# Altium PCB ATMEGA-BOARD.PcbDoc
Units mm, origin at the board's own origin, x right, y up, seen from the top; angles counter-clockwise.
Board outline 64 x 100 mm, 2 copper layers (Top Layer, Bottom Layer), stack 1.571 mm thick; 35 components, 53 nets, 171 pads, 248 vias.
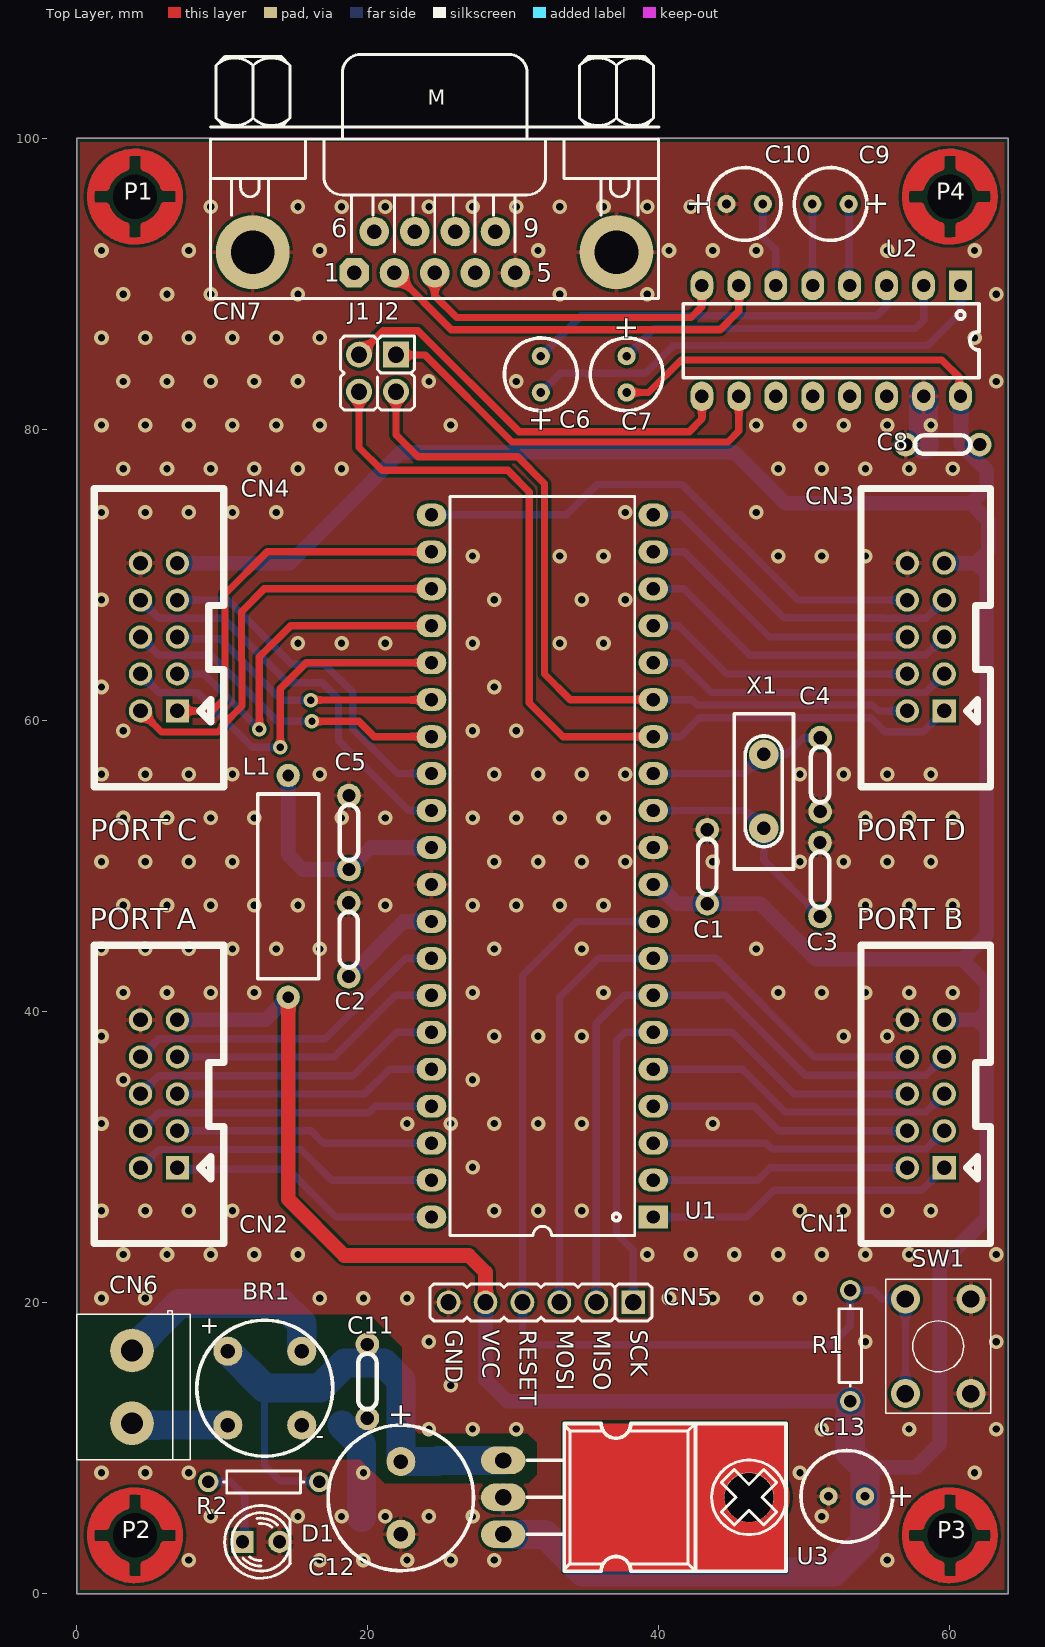
[diagram p0: Top Layer view]
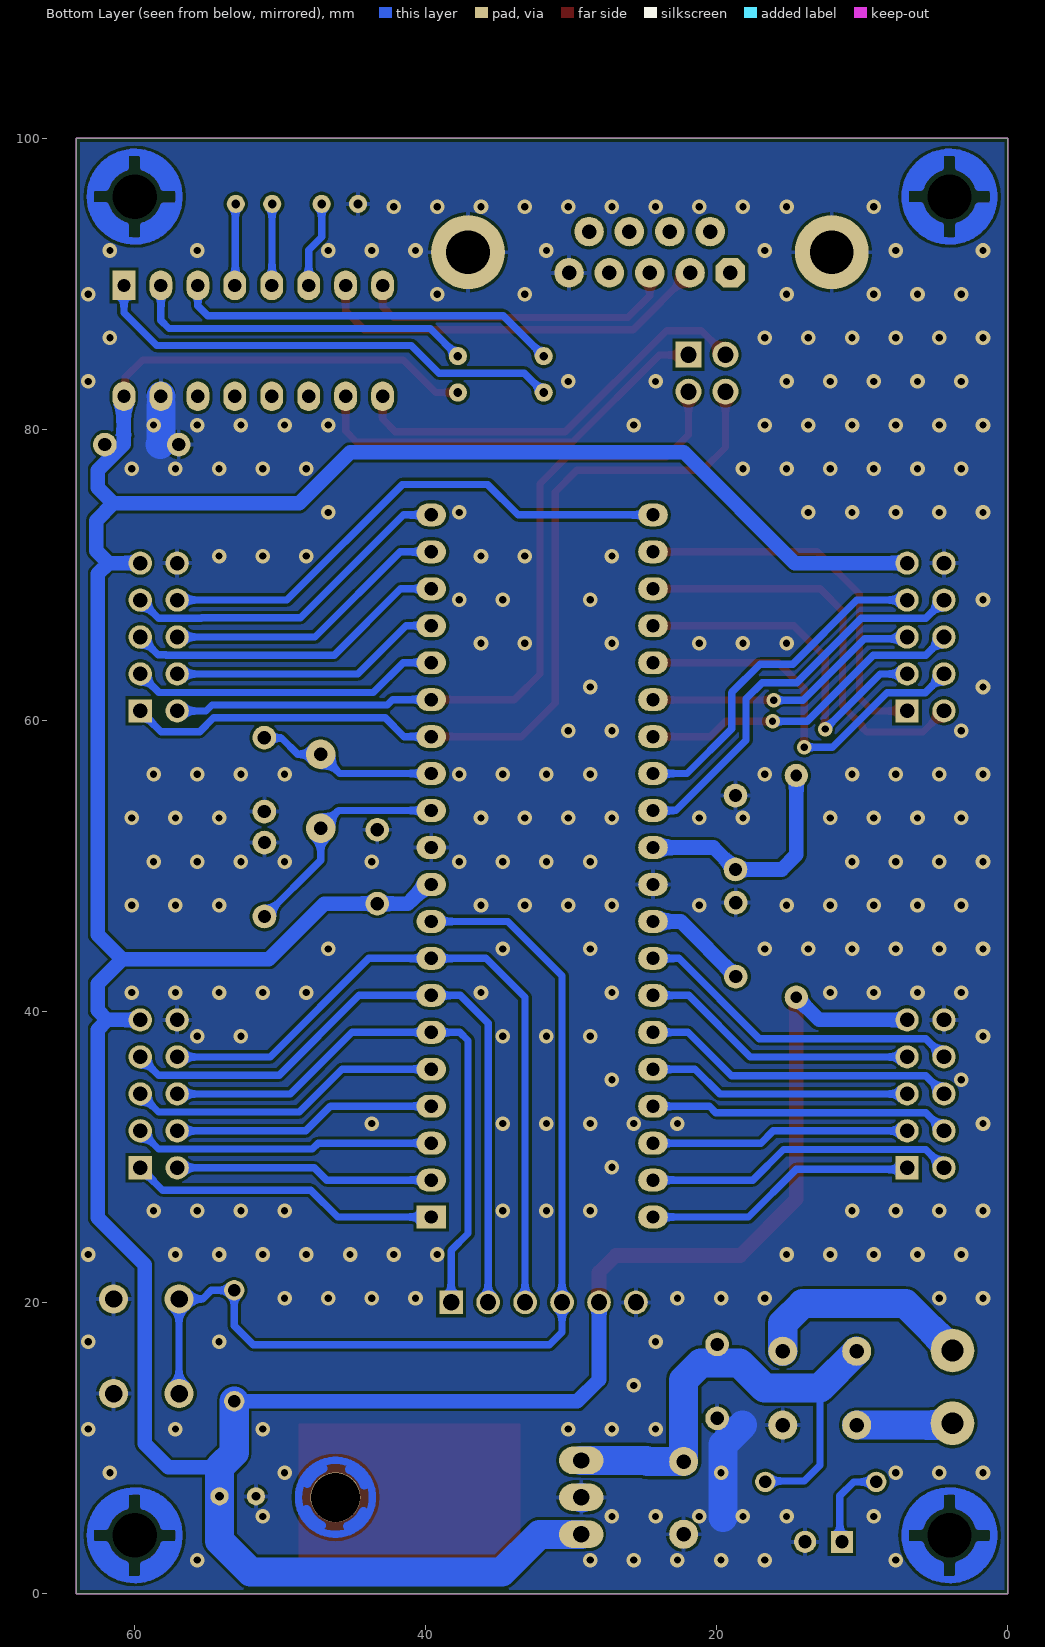
[diagram p1: Bottom Layer view, seen from below]
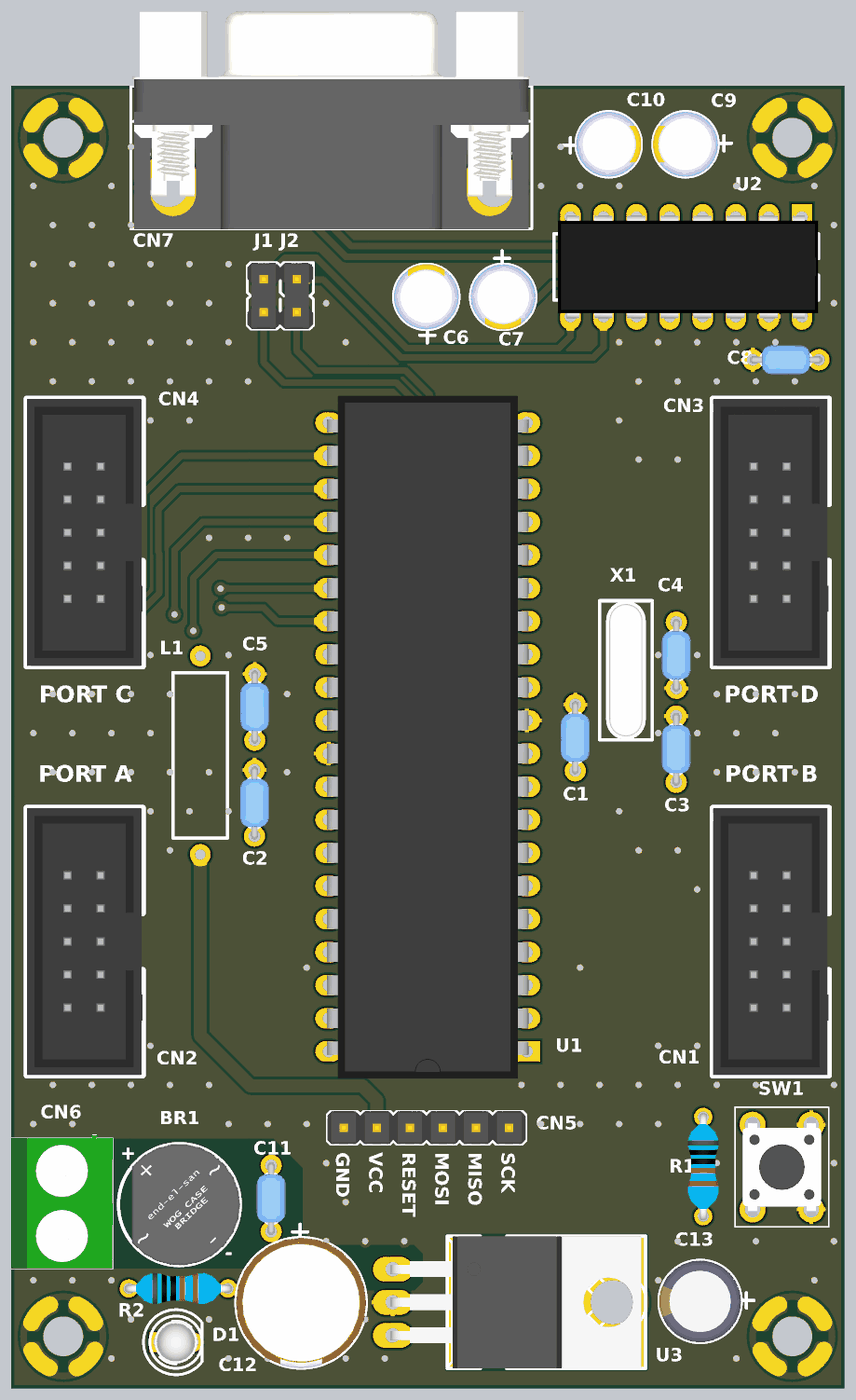
[diagram p2: 3D render of the assembled board from above, using the file's embedded part models]

## Layer stack, top to bottom
Top Solder: solder mask 0.0102, Solder Resist, Dk 3.5
Top Layer: signal copper 0.0356
Dielectric 1: dielectric 1.5, FR-4, Dk 4.8
Bottom Layer: signal copper 0.0356
Bottom Solder: solder mask 0.0102, Solder Resist, Dk 3.5

## Board outline
0,0 64,0 64,100 0,100

## Design rules (kind name [scope] priority, off if disabled: settings)
Clearance [All] p1: gap=0.2 ignorepadtopadclearanceinfootprint=FALSE
PolygonConnect PolygonConnect_1 [HasFootprint('DOUBLE-3')] p1: connectstyle=Direct reliefconductorwidth=0.254 reliefentries=4 polygonreliefangle="90 Angle" airgapwidth=0.254
PolygonConnect [All] p2: thpad.connectstyle=Relief thpad.reliefconductorwidth=0.3 thpad.reliefentries=4 thpad.polygonreliefangle="90 Angle" thpad.airgapwidth=0.2 smdpad.connectstyle=Relief smdpad.reliefconductorwidth=0.3 smdpad.reliefentries=4 smdpad.polygonreliefangle="90 Angle" smdpad.airgapwidth=0.2 via.connectstyle=Direct via.reliefconductorwidth=0.254 via.reliefentries=4 via.polygonreliefangle="90 Angle" via.airgapwidth=0.254
RoutingVias [All] p1: holewidth=0.5 width=1 viastyle="Through Hole" minholewidth=0.5 minwidth=1 maxholewidth=0.5 maxwidth=1
SolderMaskExpansion [All] p1: expansion=0.102 istentingtop=FALSE
Width [All] p1 off: maxlimit=0.254 minlimit=0.254 preferedwidth=0.254
30 further rules are at their usual default settings.

## Components (designator, comment, footprint, x,y, rotation, side; value= is the part's Value field where it differs from the comment)
BR1 "W10M-HT" DIODE-WOB 12.92,14.11 r0 top
C1 "100nF" CAP0.2N 43.33,49.95 r270 top
C2 "100nF" CAP0.2N 18.69,44.94 r270 top
C3 "22pF" CAP0.2N 51.08,49.07 r270 top
C4 "22pF" CAP0.2N 51.09,56.28 r90 top
C5 "100nF" CAP0.2N 18.71,52.3 r270 top
C6 "10uF/50V" CAP_ALUM_5x11x2.5_V 31.89,83.789 r90 top
C7 "10uF/50V" CAP_ALUM_5x11x2.5_V 37.79,83.789 r270 top
C8 "100nF" CAP0.2N 59.51,78.96 r0 top
C9 "10uF/50V" CAP_ALUM_5x11x2.5_V 51.8,95.5 r180 top
C10 "10uF/50V" CAP_ALUM_5x11x2.5_V 45.9,95.5 r0 top
C11 "100nF" CAP0.2N 19.97,14.58 r90 top
C12 "1000uF/25V" CAP_ALUM_10x17x5_V 22.27,6.57 r270 top
C13 "100uF/25V" CAP_ALUM_6.3x11.2x2.5_V 52.92,6.68 r180 top
CN1 "PORTA" CON-DS1013-10SSIB1 59.62,29.257 r90 top
CN2 "PORTA" CON-DS1013-10SSIB1 6.92,29.257 r90 top
CN3 "PORTA" CON-DS1013-10SSIB1 59.62,60.657 r90 top
CN4 "PORTA" CON-DS1013-10SSIB1 6.92,60.657 r90 top
CN5 "AVR ISP" "Pin Header S/M 06x1 TH Pitch 2.54mm" 38.25,20.01 r270 top
CN6 "POWER" Klemens-DG126-5.0-02P-14-00AH 3.8,14.2 r90 top
CN7 "DS1037-09FNAKT74" CON-DB9FLW 24.592,92.182 r0 top
D1 "LED_RED" LED3M-RED 12.66,3.55 r90 top
"J1 J2" "Header 2X2" "Pin Header S/M 02x2 TH Pitch 2.54mm" 21.94,85.14 r180 top
L1 "100uH" IND-AL0412 14.53,48.6 r270 top
P1 "PAD-1" DOUBLE-3 4,96 r0 top
P2 "PAD-1" DOUBLE-3 4,4 r0 top
P3 "PAD-1" DOUBLE-3 60,4 r0 top
P4 "PAD-1" DOUBLE-3 60,96 r0 top
R1 "10K" RES_AXIAL-0.3 53.16,17.03 r270 top
R2 "1K" RES_AXIAL-0.3 12.85,7.67 r0 top
SW1 "RESET" Switch-6x6x4.3 61.45,13.74 r90 top
U1 "ATmega32-16PU" DIP40N 32,50 r180 top
U2 "MAX232N" DIP16N 51.85,86.09 r270 top
U3 "7805" TO-220_3-H 29.31,9.15 r270 top
X1 "8MHz" XTAL_DIP 47.22,55.13 r90 top

## Footprints (in the part's own frame and the unit in brackets; to place one, negate y for a bottom-side part, rotate by r counter-clockwise, add the part's x,y. Pads: shape width x height; smd on the part's side, far side on the other; paste and mask are expansions set on the pad)
CAP0.2N [mil]
  round 64 hole 36: 1(-100,0) 2(100,0)
  silkscreen extent -75,-25 75,25, body extent -110,-43 110,44, height 236
CAP_ALUM_5x11x2.5_V [mm]
  round 1.25 hole 0.6: 1(-1.25,0) 2(1.25,0)
  silkscreen extent -2.5,-2.5 2.5,2.5, body extent -2.5,-2.5 2.51,2.5, height 11.01
CAP_ALUM_6.3x11.2x2.5_V [mm]
  round 1.25 hole 0.6: 1(-1.25,0) 2(1.25,0)
  silkscreen extent -3.15,-3.15 3.15,3.15, body extent -3.15,-3.15 3.15,3.15, height 11.2
CAP_ALUM_10x17x5_V [mm]
  round 2 hole 1: 1(-2.5,0) 2(2.5,0)
  silkscreen extent -5,-5 5,5, body extent -5,-5 5.01,5, height 17.01
CON-DB9FLW [mil]
  oct 80x80 hole 39.37: 1(-217.92,-55.83)
  round 80 hole 39.37: 2(-108.75,-55.83) 3(0.42,-55.83) 4(109.58,-55.83) 5(218.75,-55.83) 6(-162.92,55.83) 7(-53.75,55.83) 8(55.42,55.83) 9(164.58,55.83)
  round 200 hole 118.33: BO1(-492.08,0) BO2(492.08,0)
  silkscreen extent -606,-125 607,535, body extent -600,-126 601,532, height 490
CON-DS1013-10SSIB1 [mm]
  rect 1.6x1.6 hole 1: 1(0,0)
  round 1.6 hole 1: 2(0,2.54) 3(2.54,0) 4(2.54,2.54) 5(5.08,0) 6(5.08,2.54) 7(7.62,0) 8(7.62,2.54) 9(10.16,0) 10(10.16,2.54)
  silkscreen extent -5.21,-3.18 15.29,5.72, body extent -5.21,-3.18 15.29,5.72, height 9
DIODE-WOB [mm]
  round 2 hole 1: 1(2.54,2.54) 2(2.54,-2.54) 3(-2.54,-2.54) 4(-2.54,2.54)
  silkscreen extent -4.68,-4.67 4.68,4.67, body extent -3.65,-4.67 4.68,4.67, height 5.58
DIP16N [mil]
  rect 80x62 hole 36: 1(-150,350)
  oval 80x62 hole 36: 2(-150,250) 3(-150,150) 4(-150,50) 5(-150,-50) 6(-150,-150) 7(-150,-250) 8(-150,-350) 9(150,-350) 10(150,-250) 11(150,-150) 12(150,-50) 13(150,50) 14(150,150) 15(150,250) 16(150,350)
  silkscreen extent -100,-400 100,400, body extent -155,-388 155,399, height 201
DIP40N [mil]
  rect 80x62 hole 36: 1(-300,950)
  oval 80x62 hole 36: 2(-300,850) 3(-300,750) 4(-300,650) 5(-300,550) 6(-300,450) 7(-300,350) 8(-300,250) 9(-300,150) 10(-300,50) 11(-300,-50) 12(-300,-150) 13(-300,-250) 14(-300,-350) 15(-300,-450) 16(-300,-550) 17(-300,-650) 18(-300,-750) 19(-300,-850) 20(-300,-950) 21(300,-950) 22(300,-850) 23(300,-750) 24(300,-650) 25(300,-550) 26(300,-450) 27(300,-350) 28(300,-250) 29(300,-150) 30(300,-50) 31(300,50) 32(300,150) 33(300,250) 34(300,350) 35(300,450) 36(300,550) 37(300,650) 38(300,750) 39(300,850) 40(300,950)
  silkscreen extent -250,-1000 250,1000, body extent -305,-1032 305,1031, height 197
DOUBLE-3 [mil]
  round 100 hole 120: 1(0,0)
  Top Layer circle w20: c0,0 r120
  Top Layer region: 79,15 116,15 116,53 79,53
  Top Layer region: 79,-52 114,-52 114,-15 79,-15
  Top Layer region: 15,-118 46,-118 46,-79 15,-79
  Top Layer region: -58,-114 -15,-114 -15,-79 -58,-79
  Top Layer region: -117,-51 -78,-51 -78,-16 -117,-16
  Top Layer region: -118,15 -78,15 -78,50 -118,50
  Top Layer region: 15,78 56,78 56,116 15,116
  Top Layer region: -43,79 -15,79 -15,118 -43,118
  Top Layer lines w20: -78.84,24.95 cw(c0,0) -24.99,78.83 ; -78.55,-25.85 ccw(c0,0) -24.99,-78.83 ; 24.95,78.84 cw(c0,0) 78.84,24.95 ; 24.99,-78.83 ccw(c0,0) 78.83,-24.99
  Top Layer lines w50: -94.09,41.72 cw(c0,0) -44.37,92.87 ; -93.77,-42.44 ccw(c0,0) -44.83,-92.65 ; 43.26,-93.39 ccw(c0,0) 94.14,-41.62 ; 43.26,93.39 cw(c0,0) 93.98,41.96
  Bottom Layer circle w20: c0,0 r120
  Bottom Layer region: -114,15 -78,15 -78,50 -114,50
  Bottom Layer region: -118,-46 -79,-46 -79,-16 -118,-16
  Bottom Layer region: -51,-117 -15,-117 -15,-80 -51,-80
  Bottom Layer region: 15,-117 55,-117 55,-79 15,-79
  Bottom Layer region: 79,-48 119,-48 119,-15 79,-15
  Bottom Layer region: 79,15 116,15 116,53 79,53
  Bottom Layer region: 15,79 53,79 53,115 15,115
  Bottom Layer region: -51,78 -15,78 -15,117 -51,117
  Bottom Layer lines w20: -78.99,25 cw(c0,0) -25,78.99 ; -78.69,-25.91 ccw(c0,0) -25.04,-78.97 ; 24.95,79 cw(c0,0) 78.99,25 ; 25,-78.99 ccw(c0,0) 78.97,-25.04
  Bottom Layer lines w50: -92.16,42.07 cw(c0,0) -41.26,92.52 ; -91.95,-42.52 ccw(c0,0) -40.99,-92.64 ; 41.7,92.33 cw(c0,0) 91.75,42.95 ; 42.1,-92.14 ccw(c0,0) 93.06,-40.03
IND-AL0412 [mm]
  round 1.6 hole 0.8: 1(-7.62,0) 2(7.62,0)
  silkscreen extent -6.35,-2.1 6.35,2.1, body extent -7.92,-2.1 7.92,2.1, height 4.2
Klemens-DG126-5.0-02P-14-00AH [mm] "TERM.BLK.5.00MM 2P PCB TYPE 0 BOY GREEN GAOSONG"
  round 3 hole 1.5: 1(-2.5,0) 2(2.5,0)
  silkscreen extent -5,-4 5.25,3.8, body extent -5,-4 5.25,3.8, height 10.25
LED3M-RED [mil]
  rect 60x60 hole 36: 1(0,50)
  round 60 hole 36: 2(0,-50)
  silkscreen extent -98,-79 98,98, body extent -65,-65 65,65, height 217
"Pin Header S/M 02x2 TH Pitch 2.54mm" [mil] "PinHeader 1x1 TH Pitch 2.54mm"
  rect 70x70 hole 44: 1(0,0)
  round 70 hole 44: 2(0,100) 3(100,0) 4(100,100)
  silkscreen extent -50,-50 150,150, body extent -50,-50 150,150, height 122
"Pin Header S/M 06x1 TH Pitch 2.54mm" [mil] "PinHeader 1x1 TH Pitch 2.54mm"
  rect 64x64 hole 44: 1(0,0)
  round 64 hole 44: 2(0,-100) 3(0,-200) 4(0,-300) 5(0,-400) 6(0,-500)
  silkscreen extent -50,-550 50,50, body extent -50,-550 50,50, height 374
RES_AXIAL-0.3 [mm] "Axial Device, Thru-Hole; 2 Leads; 0.3 in Pin Spacing"
  round 1.4 hole 0.85: 1(-3.81,0) 2(3.81,0)
  silkscreen extent -2.77,-0.76 2.77,0.76, body extent -4.11,-1.2 4.11,1.2, height 2.4
Switch-6x6x4.3 [mm]
  round 2 hole 1.2: 1(0,0) 1(6.5,0) 2(0,4.5) 2(6.5,4.5)
  silkscreen extent -1.35,-1.35 7.85,5.85, body extent -0.62,-0.76 7.12,5.27, height 4.3
TO-220_3-H [mil]
  round 135 hole 133: 0(100,665)
  oval 75x120 hole 44: 1(0,0) 2(100,0) 3(200,0)
  Top Layer circle w20: c100,665 r100
  Top Layer region: -100,165 300,165 300,765 -100,765
  Top Layer lines w25: 66.52,586.87 cw(c100,665) 23.97,626.99 ; 138.01,588.97 ccw(c100,665) 178.13,631.52 ; 21.87,698.48 cw(c100,665) 61.99,741.03 ; 176.03,703.01 ccw(c100,665) 133.48,743.13
  Bottom Layer circle w20: c100,665 r100
  Bottom Layer lines w25: 66.52,586.87 cw(c100,665) 23.97,626.99 ; 138.01,588.97 ccw(c100,665) 178.13,631.52 ; 21.87,698.48 cw(c100,665) 61.99,741.03 ; 176.03,703.01 ccw(c100,665) 133.48,743.13
  silkscreen extent -100,65 300,766, body extent -100,-7 300,752, height 175
XTAL_DIP [mil]
  round 80 hole 36: 1(100,0) 2(-100,0)
  silkscreen extent -210,-80 210,80, body extent -210,-60 210,60, height 122

## Part data
BR1: library part Bridge1, "Full Wave Diode Bridge", Ozdisan Kodu=W10M-HT
C1 C2 C3 C4 C5 C8 C11: library part Cap, "Capacitor"
  C1 C2 C5 C8 C11: Ozdisan Kodu=MKT0805B104K101PF3R
  C3 C4: Ozdisan Kodu=MKT0805N220J500PF3R
C6 C7 C9 C10 C12 C13: library part "Cap Pol3", "Polarized Capacitor"
  C6 C7 C9 C10: Ozdisan Kodu=PKR1-050V100MC110-T2.5
  C12: Ozdisan Kodu=PKLH-025V102MG170-T/A5.07
  C13: Ozdisan Kodu=PKR1-025V101ME110-T/A5.0
CN1 CN2 CN3 CN4: library part "Header 5X2H", "Header, 5-Pin, Dual row, Right Angle", Ozdisan Kodu=DS1013-10SSIB1
CN5: library part "Header 6", "Header, 6-Pin", Ozdisan Kodu=DK501-1X6SBT-3X13MM
CN6: library part "Header 2", "Header, 2-Pin", Ozdisan Kodu=DG126-5.0-02P-14-00AH
CN7: library part "D Connector 9", "CONNECTOR DSUB 9PIN 90C PCB TYPE FEMALE", Ozdisan Kodu=DS1037-09FNAKT74
"J1 J2": "Header, 2-Pin, Dual row", Ozdisan Kodu=L-KLS1-207-2-04-S
L1: library part Inductor, "Inductor", Ozdisan Kodu=AL0412-101K-LF
R1 R2: library part R, "Resistor"
  R1: Ozdisan Kodu=CFR0W4J0103A50
  R2: Ozdisan Kodu=CFR0W8J0102A50
SW1: library part SW-PB, "Switch", Ozdisan Kodu=DTS-61R-V
U1: library part CMP-0095-00359-1, "8-bit AVR Microcontroller, 4.5-5.5V, 16MHz, 32KB Flash, 1024 Bytes EEPROM, 2KB SRAM, 40-pin PDIP, Industrial Grade (-40°C to 85°C)"
U2: library part CMP-0299-00084-2, "Dual EIA-232 Driver / Receiver, 0 to 70 degC, 16-Pin PDIP (N), Pb-Free (RoHS)", Ozdisan Kodu=MAX232EPE
U3: library part 78M05, "IC REG LINEAR 5V 500MA DPAK", Ozdisan Kodu=L7805CV-DG
X1: "XTAL", ComponentLink1URL="\\vikoonline\TPM-ARGE\AR-GE\DATA SHEET\", Ozdisan Kodu=AS-8.000-20-H35
D1: Ozdisan Kodu=3R4UD-8

## Via types
v1: diameter 1, hole 0.5, Top Layer to Bottom Layer, tented both sides, 248 vias

## Nets (pads, with @x,y where several pads share a name; then routed paths per layer and width w, separated by ;. In a path a pad name is that pad's centre, name@x,y a point inside that pad or via, vN(x,y) a via of type N, cw(c..) or ccw(c..) an arc to the next point about the centre after c; other vN are vias at no path point)
GND: BR1.2 C1.1 C2.1 C3.1 C4.1 C5.1 C8.1 C10.1 C11.1 C12.2 C13.2 CN1.10 CN2.10 CN3.10 CN4.10 CN5.6 CN7.5 CN7.BO1 CN7.BO2 D1.2 SW1.1 U1.11 U1.31 U2.15 U3.2 | length 10.3
  Bottom Layer w2: 18.23,11.57 19.56,10.24 19.56,5.242 ; U3.2@29.262,6.562 U3.2 ; U2.15 58.2,79 58.24,78.96
  other v1: 7.7,2.3 16.7,2.3 19.7,2.3 22.7,2.3 25.7,2.3 28.7,2.3 55.7,2.3 9.2,5.3 15.2,5.3 18.2,5.3 21.2,5.3 24.2,5.3 27.2,5.3 51.2,5.3 1.7,8.3 4.7,8.3 7.7,8.3 19.7,8.3 49.7,8.3 61.7,8.3 24.2,11.3 27.2,11.3 30.2,11.3 51.2,11.3 57.2,11.3 63.2,11.3 25.7,14.3 24.2,17.3 54.2,17.3 63.2,17.3 1.7,20.3 4.7,20.3 16.7,20.3 19.7,20.3 22.7,20.3 40.7,20.3 43.7,20.3 46.7,20.3 49.7,20.3 3.2,23.3 6.2,23.3 9.2,23.3 12.2,23.3 15.2,23.3 39.2,23.3 42.2,23.3 45.2,23.3 48.2,23.3 51.2,23.3 54.2,23.3 57.2,23.3 63.2,23.3 1.7,26.3 4.7,26.3 7.7,26.3 10.7,26.3 28.7,26.3 31.7,26.3 34.7,26.3 49.7,26.3 52.7,26.3 55.7,26.3 58.7,26.3 27.2,29.3 1.7,32.3 22.7,32.3 25.7,32.3 28.7,32.3 31.7,32.3 34.7,32.3 43.7,32.3 3.2,35.3 27.2,35.3 1.7,38.3 28.7,38.3 31.7,38.3 34.7,38.3 52.7,38.3 55.7,38.3 3.2,41.3 6.2,41.3 9.2,41.3 12.2,41.3 27.2,41.3 36.2,41.3 48.2,41.3 51.2,41.3 54.2,41.3 57.2,41.3 60.2,41.3 1.7,44.3 4.7,44.3 7.7,44.3 10.7,44.3 13.7,44.3 16.7,44.3 28.7,44.3 34.7,44.3 46.7,44.3 3.2,47.3 6.2,47.3 9.2,47.3 12.2,47.3 15.2,47.3 21.2,47.3 27.2,47.3 30.2,47.3 33.2,47.3 36.2,47.3 54.2,47.3 57.2,47.3 60.2,47.3 1.7,50.3 4.7,50.3 7.7,50.3 10.7,50.3 28.7,50.3 31.7,50.3 34.7,50.3 37.7,50.3 43.7,50.3 49.7,50.3 52.7,50.3 55.7,50.3 58.7,50.3 3.2,53.3 6.2,53.3 9.2,53.3 12.2,53.3 18.2,53.3 21.2,53.3 27.2,53.3 30.2,53.3 33.2,53.3 36.2,53.3 54.2,53.3 57.2,53.3 60.2,53.3 1.7,56.3 4.7,56.3 7.7,56.3 10.7,56.3 16.7,56.3 28.7,56.3 31.7,56.3 34.7,56.3 37.7,56.3 49.7,56.3 52.7,56.3 55.7,56.3 58.7,56.3 3.2,59.3 27.2,59.3 30.2,59.3 1.7,62.3 28.7,62.3 15.2,65.3 18.2,65.3 21.2,65.3 27.2,65.3 33.2,65.3 36.2,65.3 1.7,68.3 28.7,68.3 34.7,68.3 37.7,68.3 27.2,71.3 33.2,71.3 36.2,71.3 48.2,71.3 51.2,71.3 54.2,71.3 1.7,74.3 4.7,74.3 7.7,74.3 10.7,74.3 13.7,74.3 37.7,74.3 46.7,74.3 3.2,77.3 6.2,77.3 9.2,77.3 12.2,77.3 15.2,77.3 18.2,77.3 48.2,77.3 51.2,77.3 54.2,77.3 57.2,77.3 60.2,77.3 1.7,80.3 4.7,80.3 7.7,80.3 10.7,80.3 13.7,80.3 16.7,80.3 25.7,80.3 46.7,80.3 49.7,80.3 52.7,80.3 55.7,80.3 58.7,80.3 3.2,83.3 6.2,83.3 9.2,83.3 12.2,83.3 15.2,83.3 24.2,83.3 30.2,83.3 63.2,83.3 1.7,86.3 4.7,86.3 7.7,86.3 10.7,86.3 13.7,86.3 16.7,86.3 61.7,86.3 3.2,89.3 6.2,89.3 9.2,89.3 15.2,89.3 33.2,89.3 39.2,89.3 63.2,89.3 1.7,92.3 7.7,92.3 16.7,92.3 31.7,92.3 40.7,92.3 43.7,92.3 46.7,92.3 55.7,92.3 61.7,92.3 9.2,95.3 15.2,95.3 18.2,95.3 21.2,95.3 24.2,95.3 27.2,95.3 30.2,95.3 33.2,95.3 36.2,95.3 39.2,95.3 42.2,95.3
NetBR1_1: BR1.1 CN6.2 | length 15.5
  Bottom Layer w2: CN6.2 7.02,19.92 14.09,19.92 15.46,18.55 BR1.1
NetBR1_3: BR1.3 CN6.1 | length 6.6
  Bottom Layer w2: CN6.1 3.93,11.57 BR1.3
NetBR1_4: BR1.4 C11.2 C12.1 R2.2 U3.1 | length 36.4
  Bottom Layer w0.5: 12.9,14.13 12.9,8.82 13.99,7.73 16.6,7.73 R2.2
  Bottom Layer w2: BR1.4 12.9,14.13 16.72,14.13 18.44,15.85 19.97,15.85 21.098,15.85 22.27,14.678 C12.1 24.753,9.07 24.833,9.15 U3.1
NetC2_2: C2.2 U1.32 | length 7.3
  Bottom Layer w1: C2.2 22.48,46.19 U1.32 U1.32@24.365,46.205
NetC3_2: C3.2 U1.12 X1.2 | length 15.8
  Bottom Layer w0.5: U1.12 46,53.81 X1.2 47.22,50.39 C3.2
NetC4_2: C4.2 U1.13 X1.1 | length 12.5
  Bottom Layer w0.5: U1.13 45.9,56.35 47.226,57.676 48.786,57.676 49.905,58.795 51.065,58.795 C4.2
NetC5_2: C5.2 L1.1 U1.30 | length 16.3
  Bottom Layer w1: L1.1 14.53,50.77 15.54,49.76 C5.2 20.22,51.27 U1.30
NetC6_1: C6.1 U2.1 | length 33
  Bottom Layer w0.5: C6.1 33.221,83.87 39.09,83.87 40.99,85.77 58.49,85.77 60.74,88.02 U2.1
NetC6_2: C6.2 U2.3 | length 26.6
  Bottom Layer w0.5: C6.2 34.671,87.82 54.98,87.82 55.66,88.5 U2.3
NetC7_1: C7.1 U2.2 | length 23.8
  Bottom Layer w0.5: C7.1 39.691,86.94 57.64,86.94 58.2,87.5 U2.2
NetC9_1: C9.1 U2.4 | length 5.6
  Bottom Layer w0.5: C9.1 53.085,95.465 53.085,89.935 U2.4
NetC9_2: C9.2 U2.5 | length 5.6
  Bottom Layer w0.5: C9.2 50.565,95.485 50.565,89.915 U2.5
NetC10_2: C10.2 U2.6 | length 6
  Bottom Layer w0.5: C10.2 47.15,93.23 48.04,92.34 U2.6
NetCN7_2: CN7.2 U2.7 | length 27.6
  Top Layer w0.5: CN7.2 25.734,86.86 44.22,86.86 45.5,88.14 U2.7
NetCN7_3: CN7.3 U2.8 | length 22.3
  Top Layer w0.5: CN7.3 24.603,89.197 26.11,87.69 42.21,87.69 42.95,88.43 42.95,89.89 U2.8
NetD1_1: D1.1 R2.1 | length 6.1
  Bottom Layer w0.5: R2.1 10.59,7.67 11.54,6.72 11.54,3.7 D1.1
"NetJ1 J2_1": "J1 J2.1" U2.10 | length 28.7
  Top Layer w0.5: 21.94,85.14 21.97,85.11 23.94,85.11 29.91,79.14 44.75,79.14 45.5,79.89 U2.10
"NetJ1 J2_3": "J1 J2.3" U2.9 | length 29.1
  Top Layer w0.5: 19.4,85.14 21.05,86.79 23.45,86.79 30.4,79.84 42.086,79.84 42.96,80.714 U2.9
PA0: CN2.1 U1.40 | length 18.9
  Bottom Layer w0.5: CN2.1 7.027,29.15 14.53,29.15 17.81,25.87 U1.40
PA1: CN2.2 U1.39 | length 21.4
  Bottom Layer w0.5: CN2.2 5.643,30.52 15.41,30.52 17.52,28.41 U1.39
PA2: CN2.3 U1.38 | length 17.8
  Bottom Layer w0.5: CN2.3 16.113,31.797 16.96,30.95 U1.38
PA3: CN2.4 U1.37 | length 20.7
  Bottom Layer w0.5: CN2.4 5.63,33.047 20.057,33.047 20.5,33.49 U1.37
PA4: CN2.5 U1.36 | length 18.2
  Bottom Layer w0.5: CN2.5 19.797,34.337 21.49,36.03 U1.36
PA5: CN2.6 U1.35 | length 21.8
  Bottom Layer w0.5: CN2.6 5.63,35.587 18.987,35.587 21.97,38.57 U1.35
PA6: CN2.7 U1.34 | length 19.2
  Bottom Layer w0.5: CN2.7 17.697,36.877 21.93,41.11 U1.34
PA7: CN2.8 U1.33 | length 22.8
  Bottom Layer w0.5: CN2.8 5.63,38.127 17.067,38.127 22.59,43.65 U1.33
PB0: CN1.1 U1.1 | length 21.4
  Bottom Layer w0.5: U1.1 46.05,25.87 47.9,27.72 58.083,27.72 CN1.1
PB1: CN1.2 U1.2 | length 17.8
  Bottom Layer w0.5: U1.2 46.81,28.41 47.657,29.257 CN1.2
PB2: CN1.3 U1.3 | length 20.7
  Bottom Layer w0.5: U1.3 47.39,30.95 47.793,30.547 58.37,30.547 CN1.3
PB3: CN1.4 U1.4 | length 18.2
  Bottom Layer w0.5: U1.4 46.55,33.49 48.243,31.797 CN1.4
PB4: CN1.5 U1.5 | length 21.7
  Bottom Layer w0.5: U1.5 45.75,36.03 48.693,33.087 58.37,33.087 CN1.5
PB5: CN1.6 CN5.1 U1.6 | length 40.4
  Bottom Layer w0.5: CN5.1 38.25,23.581 37.09,24.741 37.09,38 37.66,38.57 U1.6 45.06,38.57 49.293,34.337 CN1.6
PB6: CN1.7 CN5.2 U1.7 | length 46.7
  Bottom Layer w0.5: CN5.2 35.71,39.19 37.63,41.11 U1.7 44.59,41.11 50.073,35.627 58.37,35.627 CN1.7
PB7: CN1.8 CN5.3 U1.8 | length 48.8
  Bottom Layer w0.5: CN5.3 33.17,40.97 35.85,43.65 U1.8 43.91,43.65 50.683,36.877 CN1.8
PC0: CN4.1 U1.22 | length 26.2
  Top Layer w0.5: CN4.1 9.297,60.657 10.19,61.55 10.19,68.69 13.09,71.59 U1.22
PC1: CN4.2 U1.23 | length 28.6
  Top Layer w0.5: CN4.2 5.827,59.21 9.707,59.21 10,59.503 10,59.63 11.36,60.99 11.36,64.13 11.32,64.17 11.32,67.48 12.89,69.05 U1.23
PC2: CN4.3 U1.24 | length 24.9
  Top Layer w0.5: v1(12.55,59.41) 12.55,64.36 14.7,66.51 U1.24
  Bottom Layer w0.5: CN4.3 8.763,63.197 v1(12.55,59.41)
PC3: CN4.4 U1.25 | length 26.9
  Top Layer w0.5: v1(13.99,58.16) 13.99,62.19 15.77,63.97 U1.25
  Bottom Layer w0.5: CN4.4 5.67,61.907 8.293,61.907 12.04,58.16 v1(13.99,58.16)
PC4: CN4.5 U1.26 | length 19.3
  Top Layer w0.5: v1(16.08,61.39) 16.1,61.41 24.36,61.41 U1.26
  Bottom Layer w0.5: CN4.5 7.047,65.61 9.85,65.61 14.07,61.39 v1(16.08,61.39)
PC5: CN4.6 U1.27 | length 22.8
  Top Layer w0.5: v1(16.16,59.94) 19.388,59.94 20.438,58.89 U1.27
  Bottom Layer w0.5: CN4.6 5.63,64.487 9.233,64.487 13.78,59.94 v1(16.16,59.94)
PC6: CN4.7 U1.28 | length 23.9
  Bottom Layer w0.5: CN4.7 10.373,68.277 14.78,63.87 17.02,63.87 18.96,61.93 18.96,59.43 22.04,56.35 U1.28
PC7: CN4.8 U1.29 | length 27.7
  Bottom Layer w0.5: CN4.8 5.63,67.027 10.063,67.027 14.49,62.6 16.88,62.6 17.98,61.5 17.98,58.65 22.82,53.81 U1.29
PD0: "J1 J2.4" CN3.1 U1.14 | length 62.3
  Top Layer w0.5: 19.4,82.6 19.4,78.76 20.97,77.19 29.61,77.19 31.1,75.7 31.1,61.2 33.41,58.89 U1.14
  Bottom Layer w0.5: U1.14 41.49,58.89 42.78,60.18 54.58,60.18 55.53,59.23 58.193,59.23 CN3.1
PD1: "J1 J2.2" CN3.2 U1.15 | length 53.6
  Top Layer w0.5: 21.94,82.6 21.94,79.63 23.45,78.12 30.3,78.12 32.15,76.27 32.15,63.19 33.91,61.43 U1.15
  Bottom Layer w0.5: U1.15 42.28,61.43 42.65,61.06 54.69,61.06 55.093,60.657 CN3.2
PD2: CN3.3 U1.16 | length 21.4
  Bottom Layer w0.5: U1.16 41.55,63.97 43.59,61.93 58.353,61.93 CN3.3
PD3: CN3.4 U1.17 | length 18.8
  Bottom Layer w0.5: U1.17 41.35,66.51 44.663,63.197 CN3.4
PD4: CN3.5 U1.18 | length 22.4
  Bottom Layer w0.5: U1.18 41.73,69.05 46.293,64.487 57.837,64.487 57.87,64.52 58.403,64.52 CN3.5
PD5: CN3.6 U1.19 | length 19.9
  Bottom Layer w0.5: U1.19 41.75,71.59 47.603,65.737 CN3.6
PD6: CN3.7 U1.20 | length 23.5
  Bottom Layer w0.5: U1.20 41.53,74.13 48.6,67.06 55.39,67.06 55.423,67.027 58.37,67.027 CN3.7
PD7: CN3.8 U1.21 | length 36.8
  Bottom Layer w0.5: U1.21 33.65,74.13 35.73,76.21 41.61,76.21 49.543,68.277 CN3.8
RST: CN5.4 R1.1 SW1.2 U1.9 | length 71.4
  Bottom Layer w0.5: U1.9 34.37,46.19 30.63,42.45 CN5.4 30.63,17.96 31.49,17.1 51.86,17.1 53.16,18.4 R1.1 54.73,20.84 55.33,20.24 56.95,20.24 SW1.2@56.95,13.74
VCC: C1.2 C7.2 C8.2 C13.1 CN1.9 CN2.9 CN3.9 CN4.9 CN5.5 L1.2 R1.2 U1.10 U2.16 U3.3 | length 303.6
  Top Layer w0.5: C7.2 39.299,82.539 41.54,84.78 59.45,84.78 60.65,83.58 60.65,82.37 U2.16
  Top Layer w1: L1.2 14.53,27.09 18.39,23.23 26.95,23.23 28.09,22.09 CN5.5
  Bottom Layer w1: CN2.9 12.967,39.417 L1.2 ; CN4.9 14.637,70.817 22.25,78.43 45.19,78.43 48.7,74.92 61.47,74.92 ; CN5.5 28.09,14.7 29.57,13.22 R1.2 ; U1.10 39.916,48.73 41.236,47.41 C1.2 46.97,47.41 50.78,43.6 60.85,43.6 ; 54.17,8.67 57.68,8.67 59.31,10.3 59.31,22.6 62.53,25.82 62.53,38.76 61.873,39.417 ; CN1.9 61.873,39.417 ; CN3.9 61.793,70.817 ; U2.16 60.76,82.26 60.76,78.98 62.53,77.21 62.53,75.98 61.47,74.92 ; 60.85,43.6 62.53,45.28 62.53,70.08 61.793,70.817 ; 60.85,43.6 62.53,41.92 62.53,40.074 61.873,39.417 ; 61.47,74.92 62.65,73.74 62.65,71.674 61.793,70.817
  Bottom Layer w2: U3.3 32.17,4.07 34.75,1.49 52.04,1.49 54.17,3.62 C13.1 54.17,8.67 53.16,9.68 R1.2
pads on no net: CN7.1 CN7.4 CN7.6 CN7.7 CN7.8 CN7.9 P1.1 P2.1 P3.1 P4.1 U2.11 U2.12 U2.13 U2.14 U3.0

## Polygon pours and split planes (outlines as drawn)
GND on Top Layer "GND_L01_P000" (solid, pour order 0): 0,0 0,100 64,100 64,0
GND on Bottom Layer "GND_L02_P001" (solid, pour order 1): 0,0 0,100 64,100 64,0

## Keep-outs
Keep-Out Layer:
  the board outline again, w0.1

## Other copper
Top Layer:
  pour cut-out: -0.02,19.19 20.12,19.19 22.38,16.93 22.38,12.13 23.48,11.03 30.96,11.03 31.64,10.35 31.64,8.15 31.02,7.53 21.15,7.53 19.48,9.2 0.01,9.2 0,9.19

## Silkscreen, mask and mechanical layers (free items; w line width, h text height)
Top Overlay:
  text "PORT C" at 0.92,51.278 h2.5
  text "PORT D" at 53.62,51.278 h2.5
  text "PORT A" at 0.895,45.178 h2.5
  text "PORT B" at 53.595,45.178 h2.5
  text "GND" at 24.96,18.13 h2 r270
  text "VCC" at 27.5,18.13 h2 r270
  text "RESET" at 30.04,18.13 h2 r270
  text "MOSI" at 32.58,18.13 h2 r270
  text "MISO" at 35.12,18.13 h2 r270
  text "SCK" at 37.66,18.13 h2 r270
Drill Drawing:
  drawing of 255 lines, arcs and shapes, not listed
  text "Layer" at 80.99,72.236 h1.5
  text "Name" at 87.266,72.236 h1.5
  text "Material" at 99.541,72.236 h1.5
  text "Thickness" at 110.187,72.236 h1.5
  text "Constant" at 119.052,72.236 h1.5
  text "Board Layer Stack" at 127.273,72.236 h1.5
  text "Top Overlay" at 87.266,69.236 h1.5
  text "Top Solder" at 87.266,66.236 h1.5
  text "Solder Resist" at 99.541,66.236 h1.5
  text "0,010mm" at 110.187,66.236 h1.5
  text "3.5" at 119.052,66.236 h1.5
  text "1" at 80.99,63.236 h1.5
  text "Top Layer" at 87.266,63.236 h1.5
  text "0,036mm" at 110.187,63.236 h1.5
  text "Dielectric 1" at 87.266,60.236 h1.5
  text "FR-4" at 99.541,60.236 h1.5
  text "1,500mm" at 110.187,60.236 h1.5
  text "4.8" at 119.052,60.236 h1.5
  text "2" at 80.99,57.236 h1.5
  text "Bottom Layer" at 87.266,57.236 h1.5
  text "0,036mm" at 110.187,57.236 h1.5
  text "Bottom Solder" at 87.266,54.236 h1.5
  text "Solder Resist" at 99.541,54.236 h1.5
  text "0,010mm" at 110.187,54.236 h1.5
  text "3.5" at 119.052,54.236 h1.5
  text "Bottom Overlay" at 87.266,51.236 h1.5
  text "Total board thickness:" at 80.99,48.236 h1.5
  text "1,591mm" at 110.187,48.236 h1.5
  text "Symbol" at 81.154,41.956 h1.8
  text "Count" at 88.074,41.956 h1.8
  text "Hole Size" at 95.59,41.956 h1.8
  text "Plated" at 110.448,41.956 h1.8
  text "Hole Type" at 116.686,41.956 h1.8
  text "Drill Layer Pair" at 125.684,41.956 h1.8
  text "Via/Pad" at 142.919,41.956 h1.8
  text "Pad Shape" at 150.16,41.956 h1.8
  text "Template" at 159.27,41.956 h1.8
  text "1" at 88.074,38.884 h1.5
  text "3,378mm (133,00mil)" at 95.59,38.884 h1.5
  text "PTH" at 110.448,38.884 h1.5
  text "Round" at 116.686,38.884 h1.5
  text "Top Layer - Bottom Layer" at 125.684,38.884 h1.5
  text "Pad" at 142.919,38.884 h1.5
  text "Rounded" at 150.16,38.884 h1.5
  text "c343h338" at 159.27,38.884 h1.5
  text "2" at 88.074,35.812 h1.5
  text "0,800mm (31,50mil)" at 95.59,35.812 h1.5
  text "PTH" at 110.448,35.812 h1.5
  text "Round" at 116.686,35.812 h1.5
  text "Top Layer - Bottom Layer" at 125.684,35.812 h1.5
  text "Pad" at 142.919,35.812 h1.5
  text "Rounded" at 150.16,35.812 h1.5
  text "c160h80" at 159.27,35.812 h1.5
  text "2" at 88.074,32.741 h1.5
  text "1,500mm (59,06mil)" at 95.59,32.741 h1.5
  text "PTH" at 110.448,32.741 h1.5
  text "Round" at 116.686,32.741 h1.5
  text "Top Layer - Bottom Layer" at 125.684,32.741 h1.5
  text "Pad" at 142.919,32.741 h1.5
  text "Rounded" at 150.16,32.741 h1.5
  text "c300h150" at 159.27,32.741 h1.5
  text "2" at 88.074,29.669 h1.5
  text "3,006mm (118,33mil)" at 95.59,29.669 h1.5
  text "PTH" at 110.448,29.669 h1.5
  text "Round" at 116.686,29.669 h1.5
  text "Top Layer - Bottom Layer" at 125.684,29.669 h1.5
  text "Pad" at 142.919,29.669 h1.5
  text "Rounded" at 150.16,29.669 h1.5
  text "c508h301" at 159.27,29.669 h1.5
  text "4" at 88.074,26.597 h1.5
  text "0,850mm (33,47mil)" at 95.59,26.597 h1.5
  text "PTH" at 110.448,26.597 h1.5
  text "Round" at 116.686,26.597 h1.5
  text "Top Layer - Bottom Layer" at 125.684,26.597 h1.5
  text "Pad" at 142.919,26.597 h1.5
  text "Rounded" at 150.16,26.597 h1.5
  text "c140h85" at 159.27,26.597 h1.5
  text "4" at 88.074,23.525 h1.5
  text "1,200mm (47,24mil)" at 95.59,23.525 h1.5
  text "PTH" at 110.448,23.525 h1.5
  text "Round" at 116.686,23.525 h1.5
  text "Top Layer - Bottom Layer" at 125.684,23.525 h1.5
  text "Pad" at 142.919,23.525 h1.5
  text "Rounded" at 150.16,23.525 h1.5
  text "c200h120" at 159.27,23.525 h1.5
  text "4" at 88.074,20.453 h1.5
  text "3,048mm (120,00mil)" at 95.59,20.453 h1.5
  text "PTH" at 110.448,20.453 h1.5
  text "Round" at 116.686,20.453 h1.5
  text "Top Layer - Bottom Layer" at 125.684,20.453 h1.5
  text "Pad" at 142.919,20.453 h1.5
  text "Rounded" at 150.16,20.453 h1.5
  text "c254h305" at 159.27,20.453 h1.5
  text "10" at 88.074,17.381 h1.5
  text "0,600mm (23,62mil)" at 95.59,17.381 h1.5
  text "PTH" at 110.448,17.381 h1.5
  text "Round" at 116.686,17.381 h1.5
  text "Top Layer - Bottom Layer" at 125.684,17.381 h1.5
  text "Pad" at 142.919,17.381 h1.5
  text "Rounded" at 150.16,17.381 h1.5
  text "c125h60" at 159.27,17.381 h1.5
  text "13" at 88.074,14.309 h1.5
  text "1,118mm (44,00mil)" at 95.59,14.309 h1.5
  text "PTH" at 110.448,14.309 h1.5
  text "Round" at 116.686,14.309 h1.5
  text "Top Layer - Bottom Layer" at 125.684,14.309 h1.5
  text "Pad" at 142.919,14.309 h1.5
  text "(Mixed)" at 150.16,14.309 h1.5
  text "(Mixed)" at 159.27,14.309 h1.5
  text "55" at 88.074,11.238 h1.5
  text "1,000mm (39,37mil)" at 95.59,11.238 h1.5
  text "PTH" at 110.448,11.238 h1.5
  text "Round" at 116.686,11.238 h1.5
  text "Top Layer - Bottom Layer" at 125.684,11.238 h1.5
  text "Pad" at 142.919,11.238 h1.5
  text "(Mixed)" at 150.16,11.238 h1.5
  text "(Mixed)" at 159.27,11.238 h1.5
  text "74" at 88.074,8.166 h1.5
  text "0,914mm (36,00mil)" at 95.59,8.166 h1.5
  text "PTH" at 110.448,8.166 h1.5
  text "Round" at 116.686,8.166 h1.5
  text "Top Layer - Bottom Layer" at 125.684,8.166 h1.5
  text "Pad" at 142.919,8.166 h1.5
  text "(Mixed)" at 150.16,8.166 h1.5
  text "(Mixed)" at 159.27,8.166 h1.5
  text "248" at 88.074,5.094 h1.5
  text "0,500mm (19,69mil)" at 95.59,5.094 h1.5
  text "PTH" at 110.448,5.094 h1.5
  text "Round" at 116.686,5.094 h1.5
  text "Top Layer - Bottom Layer" at 125.684,5.094 h1.5
  text "Via" at 142.919,5.094 h1.5
  text "Rounded" at 150.16,5.094 h1.5
  text "(Mixed)" at 159.27,5.094 h1.5
  text "419 Total" at 88.074,2.022 h1.5

## Dimensions
64,0 to 64,100 on Drill Drawing
0,0 to 64,0 on Drill Drawing

## Text inside footprints (layer, text, board x,y; h text height)
BR1: Top Overlay "+" at 8.46,17.435 h2; Top Overlay "-" at 16.42,9.887 h2
C6: Top Overlay "+" at 32.56,79.729 h1.52 r90
C7: Top Overlay "+" at 37.12,87.849 h1.52 r270
C9: Top Overlay "+" at 55.86,96.17 h1.52 r180
C10: Top Overlay "+" at 41.84,94.83 h1.52
C12: Top Overlay "+" at 21.6,13.13 h1.52 r270
C13: Top Overlay "+" at 57.58,7.35 h1.52 r180
CN7: Top Overlay "M" at 24.137,102.321 h1.02; Top Overlay "9" at 30.699,93.198 h1.27; Top Overlay "5" at 31.587,90.15 h1.27; Top Overlay "1" at 16.983,90.15 h1.27; Top Overlay "6" at 17.491,93.198 h1.27